# Altium PCB RADG-B00-V00.PcbDoc (part 1 of 2)
Units mil, origin at the board's own origin, x right, y up, seen from the top; angles counter-clockwise.
Board outline 2755.91 x 2952.76 mil, 4 copper layers (Top Layer, Layer 1, Layer 2, Bottom Layer), stack 61.418 mil thick; 103 components, 102 nets, 408 pads, 478 vias.
Unrouted connection lines stored in the file: 1.
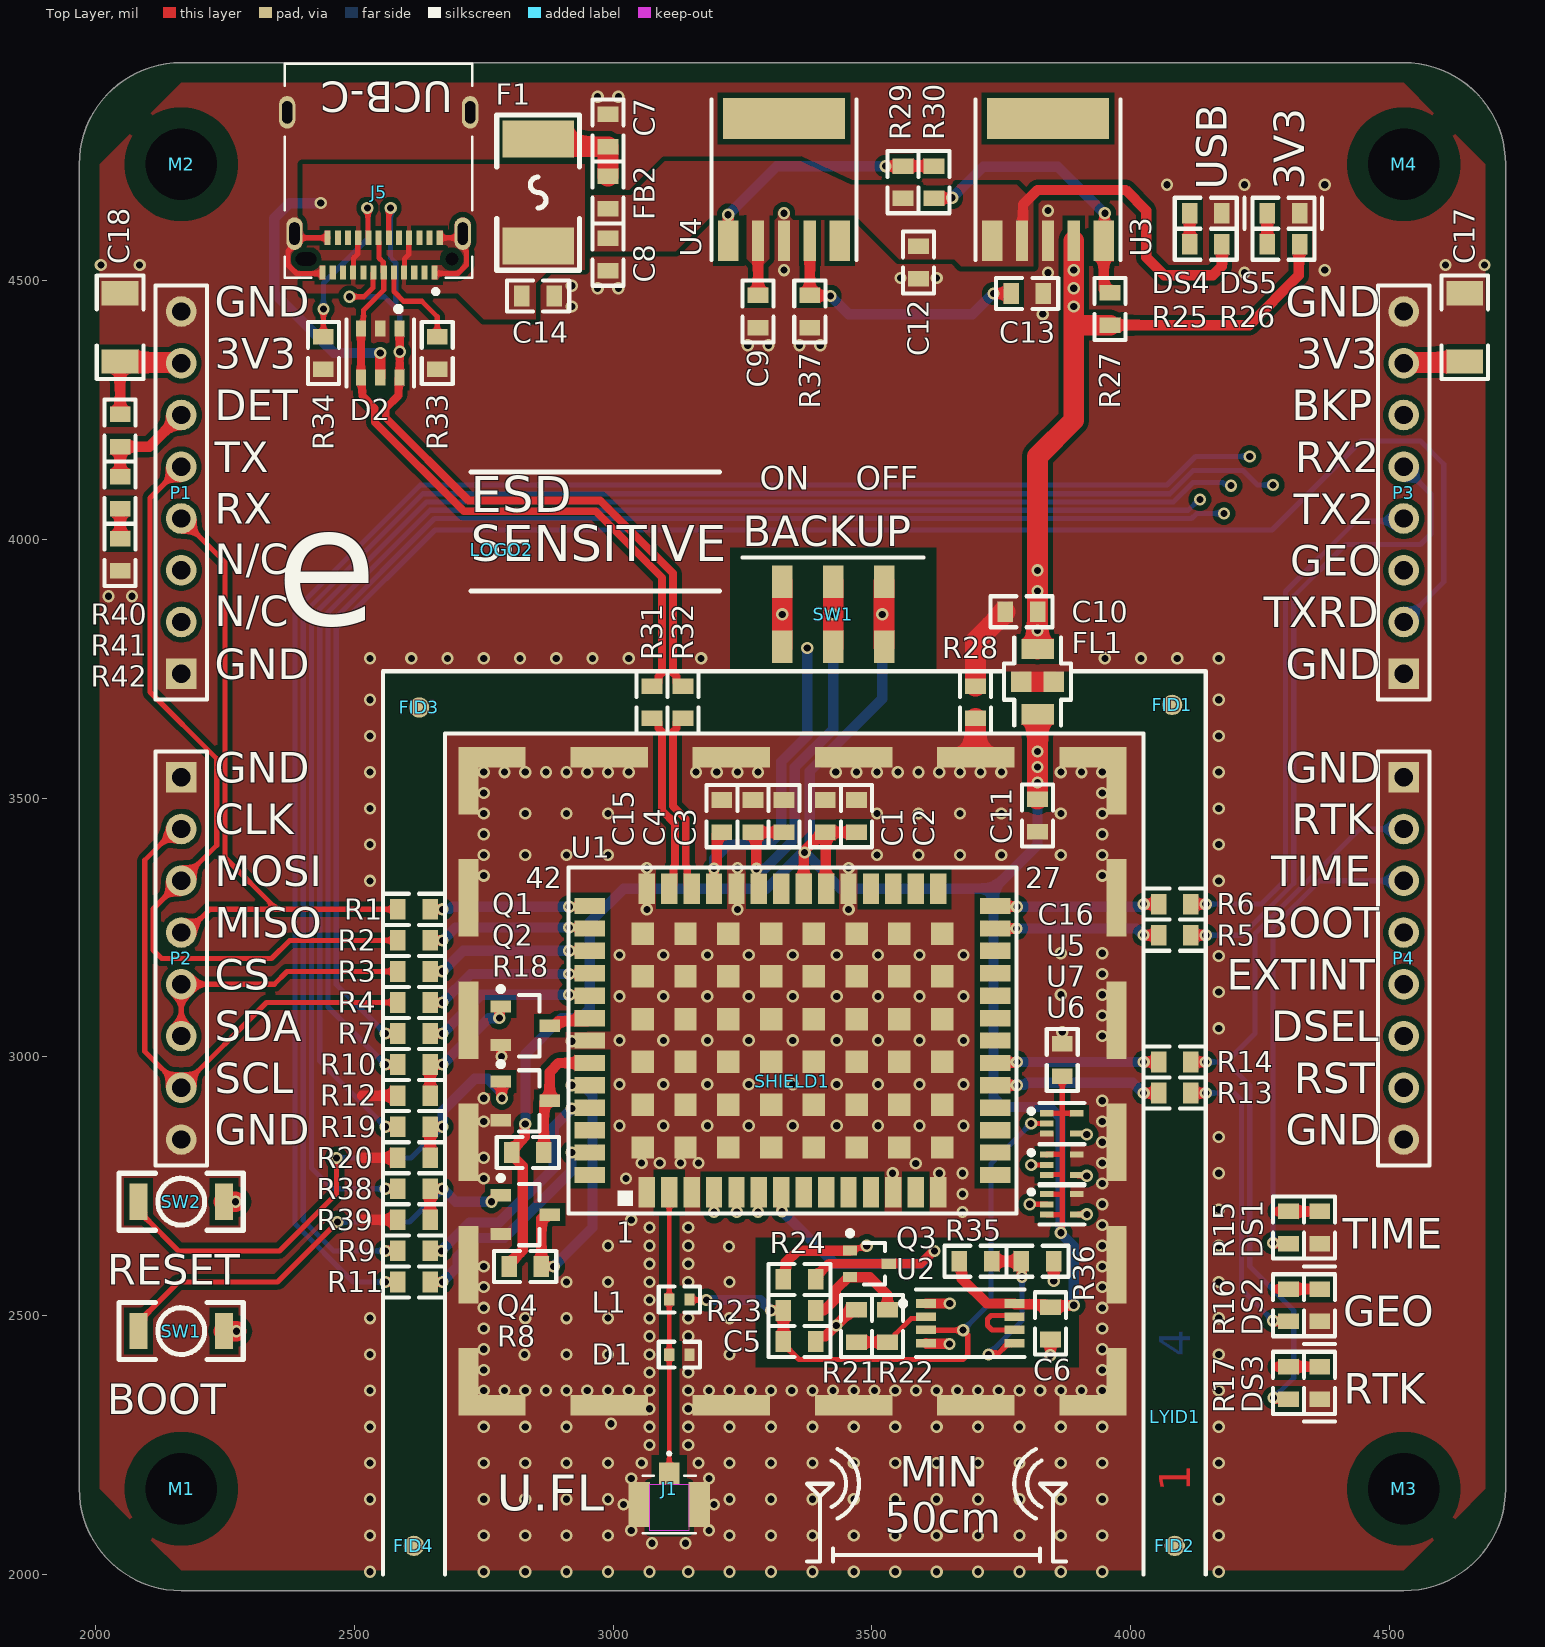
[diagram p0: Top Layer view]
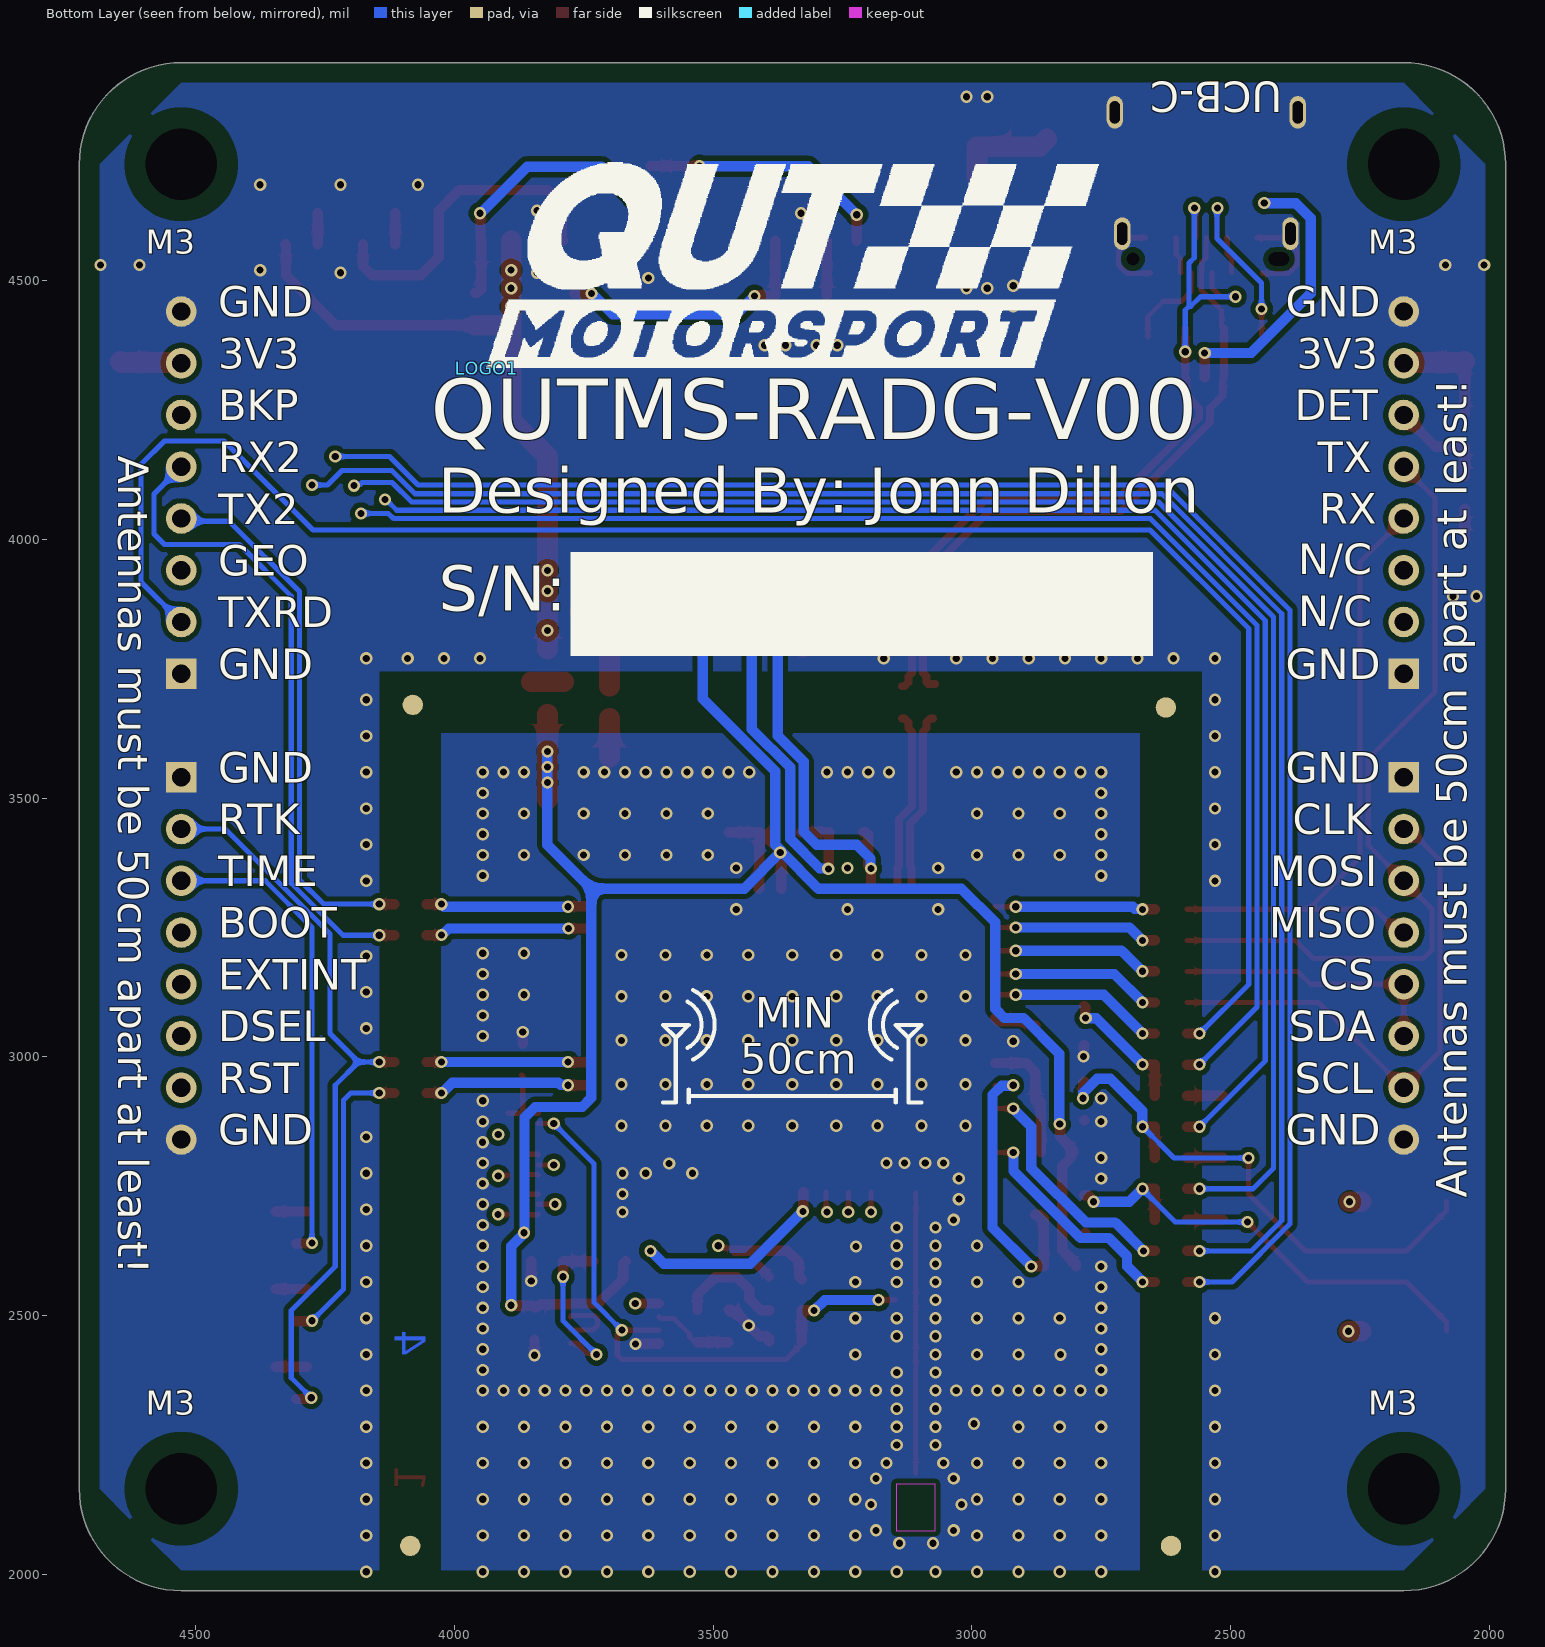
[diagram p1: Bottom Layer view, seen from below]
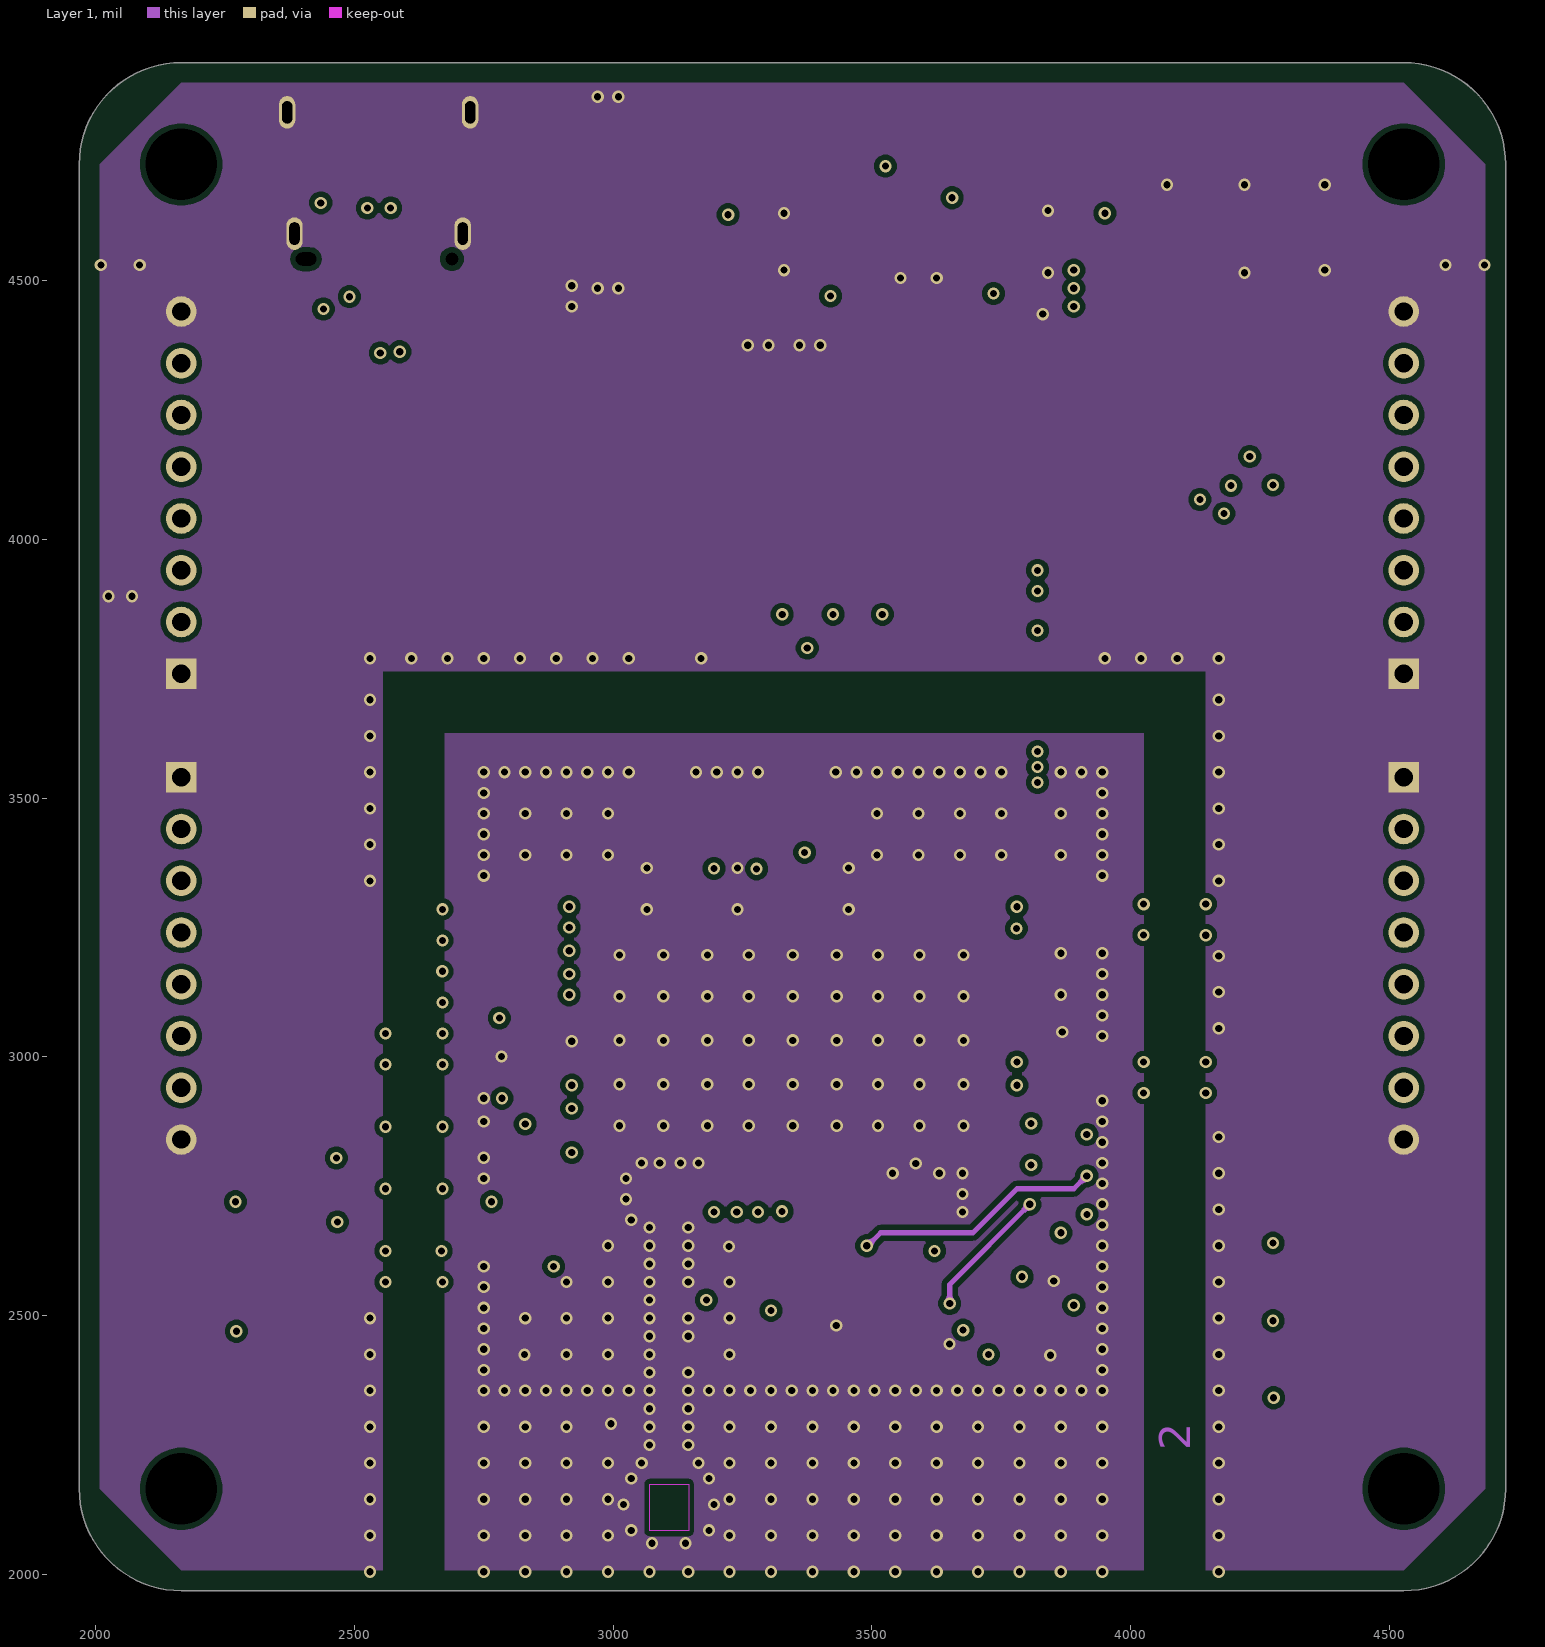
[diagram p2: Layer 1]
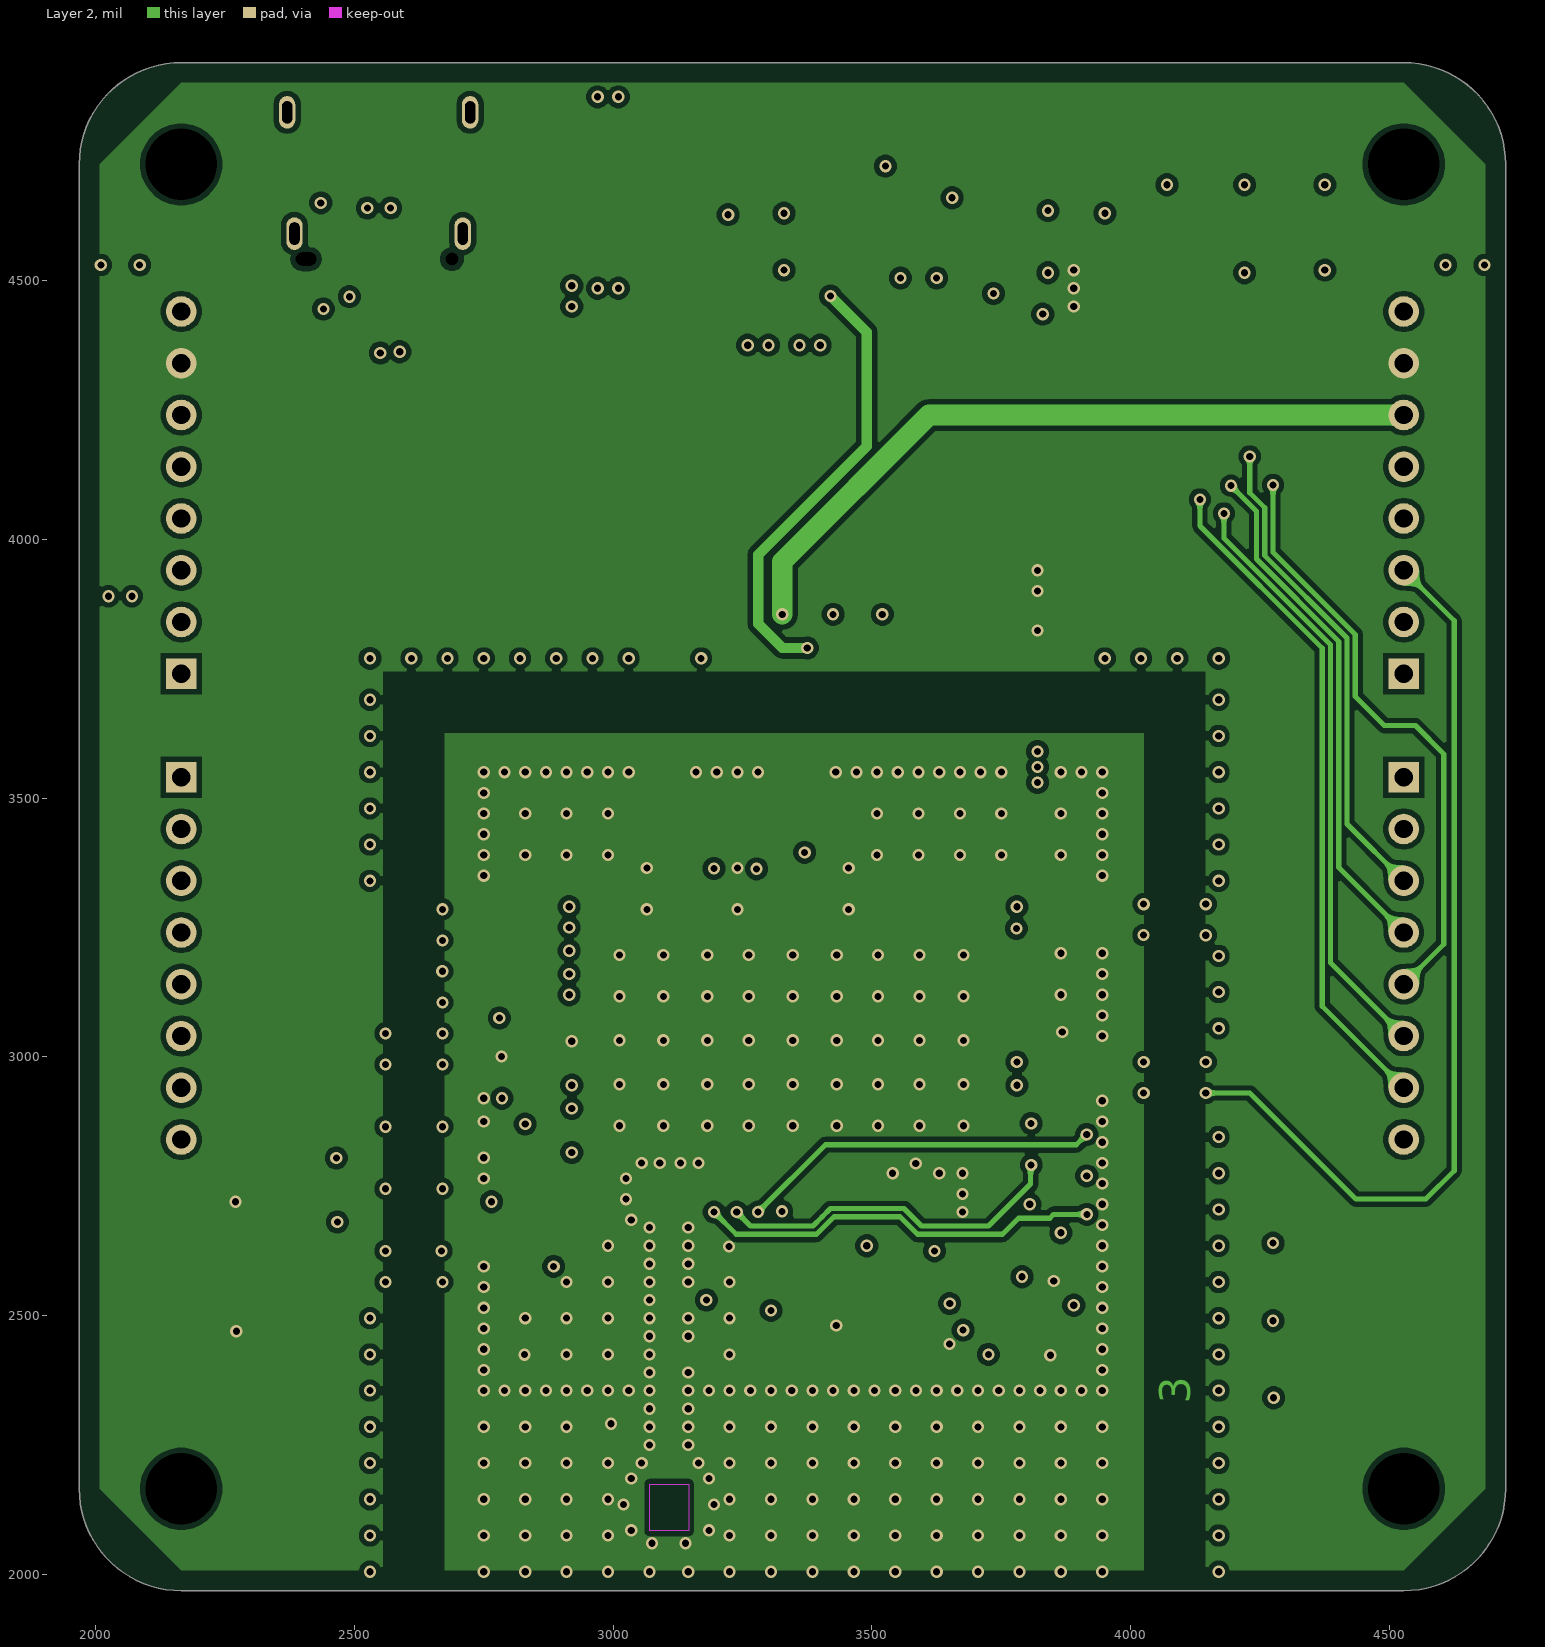
[diagram p3: Layer 2]
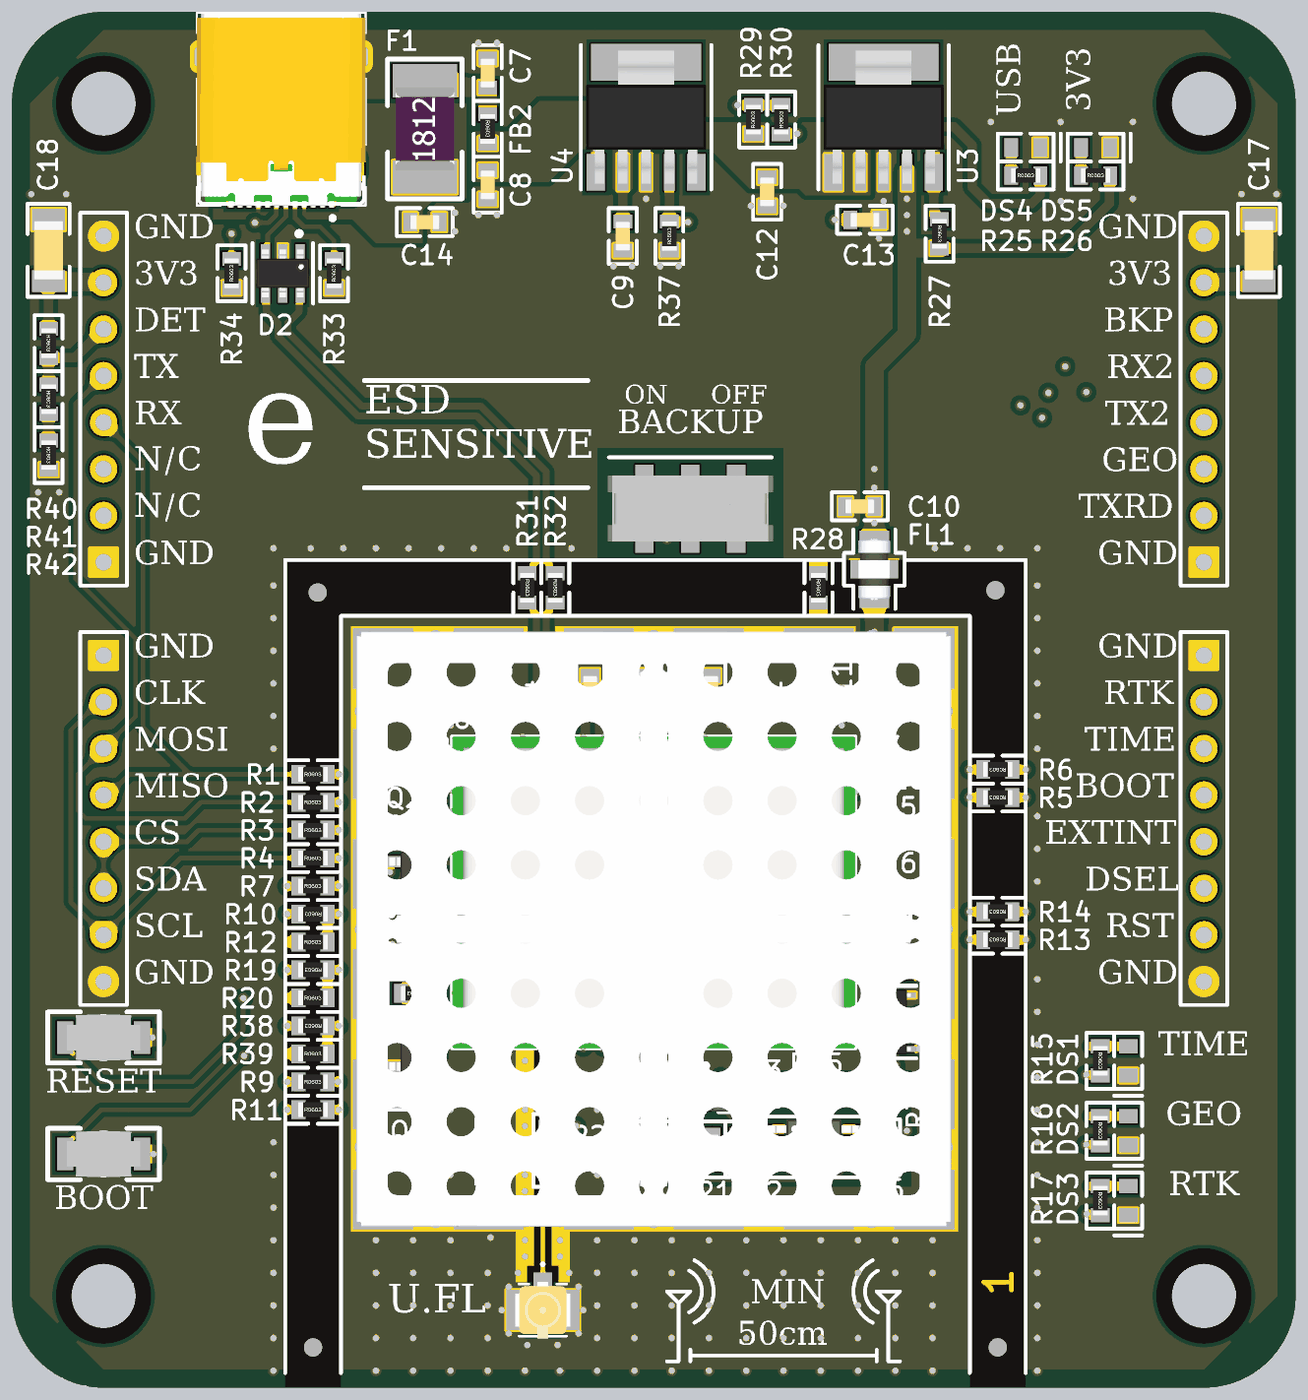
[diagram p5: 3D render of the assembled board from above, using the file's embedded part models]

## Layer stack, top to bottom
Top Solder: solder mask 0.3937, Solder Resist, Dk 3.5
Top Layer: signal copper 1.378
Dielectric 2: prepreg 4.3307, PP-006, Dk 4.1
Layer 1: signal copper 1.378
Dielectric 1: core 47.2441, Core-043, Dk 4.3
Layer 2: signal copper 1.378
Dielectric 3: prepreg 4.3307, PP-006, Dk 4.1
Bottom Layer: signal copper 1.378
Bottom Solder: solder mask 0.3937, Solder Resist, Dk 3.5

## Board outline
1968.5,2165.35 1968.5,4724.41 cw(c2165.35,4724.41) 2165.35,4921.26 4527.56,4921.26 cw(c4527.56,4724.41) 4724.41,4724.41 4724.41,2165.35 cw(c4527.56,2165.35) 4527.56,1968.5 2165.35,1968.5 cw(c2165.35,2165.35)
